# KiCad board hvd-68-vhdci-panel.kicad_pcb (continued)
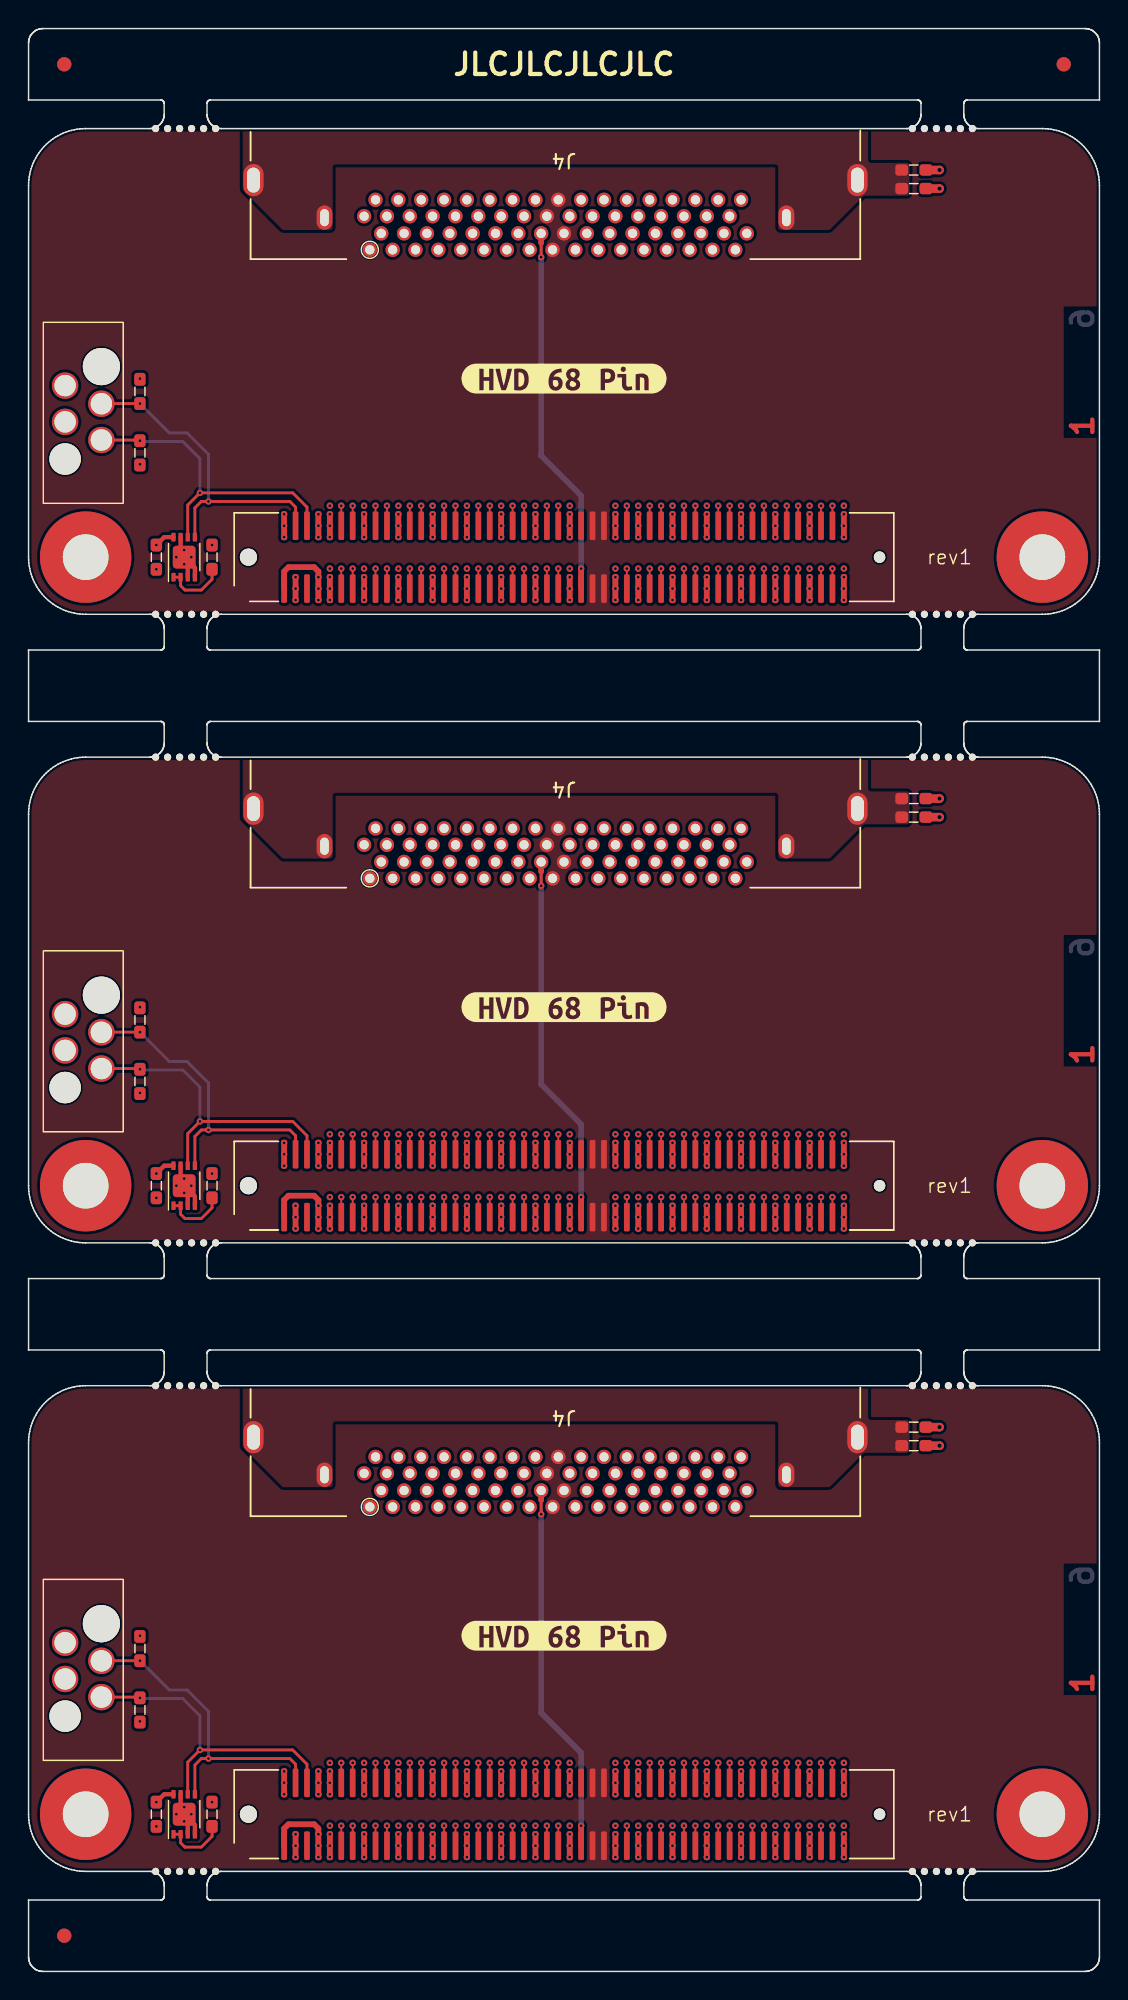
[diagram p0: board, top side]
## Routing (per net, layer and track width the routed paths; a pad name or vN(x,y) marks a point on that pad's centre or on a via; arc(x,y) is an arc through that point) (continued)
Board_2-/CON.DB6+: length 29.6
  Top w0.128: J1#3.43 v1(34.7,10.2)
  In3.Cu w0.128: v1(34.7,10.2) 34.3,10.6 34.3,15 32.9,16.4 32.9,18 arc(32.97,18.17) 33.14,18.24 arc(33.31,18.31) 33.38,18.48 33.38,18.6 arc(33.31,18.77) 33.14,18.84 arc(32.97,18.91) 32.9,19.08 32.9,19.2 arc(32.97,19.37) 33.14,19.44 arc(33.31,19.51) 33.38,19.68 33.38,19.8 arc(33.31,19.97) 33.14,20.04 arc(32.97,20.11) 32.9,20.28 32.9,20.4 arc(32.97,20.57) 33.14,20.64 arc(33.31,20.71) 33.38,20.88 33.38,21 arc(33.31,21.17) 33.14,21.24 arc(32.97,21.31) 32.9,21.48 32.9,21.6 arc(32.97,21.77) 33.14,21.84 arc(33.31,21.91) 33.38,22.08 33.38,22.2 arc(33.31,22.37) 33.14,22.44 arc(32.97,22.51) 32.9,22.68 32.9,22.8 arc(32.97,22.97) 33.14,23.04 arc(33.31,23.11) 33.38,23.28 33.38,23.4 arc(33.31,23.57) 33.14,23.64 arc(32.97,23.71) 32.9,23.88 32.9,24 arc(32.97,24.17) 33.14,24.24 arc(33.31,24.31) 33.38,24.48 33.38,24.6 arc(33.31,24.77) 33.14,24.84 arc(32.97,24.91) 32.9,25.08 32.9,25.2 arc(32.97,25.37) 33.14,25.44 arc(33.31,25.51) 33.38,25.68 33.38,25.8 arc(33.31,25.97) 33.14,26.04 arc(32.97,26.11) 32.9,26.28 32.9,26.4 arc(32.97,26.57) 33.14,26.64 arc(33.31,26.71) 33.38,26.88 33.38,27 arc(33.31,27.17) 33.14,27.24 arc(32.97,27.31) 32.9,27.48 32.9,27.6 arc(32.97,27.77) 33.14,27.84 arc(33.31,27.91) 33.38,28.08 33.38,28.2 arc(33.31,28.37) 33.14,28.44 arc(32.97,28.51) 32.9,28.68 32.9,31.92 J4.13
Board_2-/CON.DB6-: length 27
  Top w0.128: J1#3.44 v1(34.7,14.6)
  In2.Cu w0.128: v1(34.7,14.6) 32.9,16.4 32.9,18 arc(32.96,18.15) 33.11,18.21 arc(33.26,18.28) 33.32,18.43 33.32,18.6 arc(33.26,18.75) 33.11,18.81 arc(32.96,18.88) 32.9,19.03 32.9,19.2 arc(32.96,19.35) 33.11,19.41 arc(33.26,19.48) 33.32,19.63 33.32,19.8 arc(33.26,19.95) 33.11,20.01 arc(32.96,20.08) 32.9,20.23 32.9,20.4 arc(32.96,20.55) 33.11,20.61 arc(33.26,20.68) 33.32,20.83 33.32,21 arc(33.26,21.15) 33.11,21.21 arc(32.96,21.28) 32.9,21.43 32.9,21.6 arc(32.96,21.75) 33.11,21.81 arc(33.26,21.88) 33.32,22.03 33.32,22.2 arc(33.26,22.35) 33.11,22.41 arc(32.96,22.48) 32.9,22.63 32.9,22.8 arc(32.96,22.95) 33.11,23.01 arc(33.26,23.08) 33.32,23.23 33.32,23.4 arc(33.26,23.55) 33.11,23.61 arc(32.96,23.68) 32.9,23.83 32.9,24 arc(32.96,24.15) 33.11,24.21 arc(33.26,24.28) 33.32,24.43 33.32,24.6 arc(33.26,24.75) 33.11,24.81 arc(32.96,24.88) 32.9,25.03 32.9,25.2 arc(32.96,25.35) 33.11,25.41 arc(33.26,25.48) 33.32,25.63 33.32,25.8 arc(33.26,25.95) 33.11,26.01 arc(32.96,26.08) 32.9,26.23 32.9,26.4 arc(32.96,26.55) 33.11,26.61 arc(33.26,26.68) 33.32,26.83 33.32,27 arc(33.26,27.15) 33.11,27.21 arc(32.96,27.28) 32.9,27.43 32.9,27.6 arc(32.95,27.73) 33.09,27.79 arc(33.22,27.84) 33.27,27.98 33.27,28.2 arc(33.22,28.33) 33.09,28.39 arc(32.95,28.44) 32.9,28.58 32.9,32.9 33.3,33.3 33.3,34 33.1,34.2 J4.47
Board_2-/CON.DB7+: length 29.6
  Top w0.128: J1#3.47 v1(36.3,10.2)
  In3.Cu w0.128: J4.14 34.3,32.3 34.1,32.1 34.1,27.41 arc(34.04,27.27) 33.9,27.21 arc(33.75,27.15) 33.69,27 33.69,26.81 arc(33.75,26.67) 33.9,26.61 arc(34.04,26.55) 34.1,26.4 34.1,26.21 arc(34.04,26.07) 33.9,26.01 arc(33.75,25.95) 33.69,25.8 33.69,25.61 arc(33.75,25.47) 33.9,25.41 arc(34.04,25.35) 34.1,25.2 34.1,25.01 arc(34.04,24.87) 33.9,24.81 arc(33.75,24.75) 33.69,24.6 33.69,24.41 arc(33.75,24.27) 33.9,24.21 arc(34.04,24.15) 34.1,24 34.1,23.81 arc(34.04,23.67) 33.9,23.61 arc(33.75,23.55) 33.69,23.4 33.69,23.21 arc(33.75,23.07) 33.9,23.01 arc(34.04,22.95) 34.1,22.8 34.1,22.61 arc(34.04,22.47) 33.9,22.41 arc(33.75,22.35) 33.69,22.2 33.69,22.01 arc(33.75,21.87) 33.9,21.81 arc(34.04,21.75) 34.1,21.6 34.1,21.41 arc(34.04,21.27) 33.9,21.21 arc(33.75,21.15) 33.69,21 33.69,20.81 arc(33.75,20.67) 33.9,20.61 arc(34.04,20.55) 34.1,20.4 34.1,20.21 arc(34.04,20.07) 33.9,20.01 arc(33.75,19.95) 33.69,19.8 33.69,19.61 arc(33.75,19.47) 33.9,19.41 arc(34.04,19.35) 34.1,19.2 34.1,19.01 arc(34.04,18.87) 33.9,18.81 arc(33.75,18.75) 33.69,18.6 33.69,18.41 arc(33.75,18.27) 33.9,18.21 arc(34.04,18.15) 34.1,18 34.1,16.8 36,14.9 36,10.5 v1(36.3,10.2)
Board_2-/CON.DB7-: length 27
  Top w0.128: J1#3.48 v1(36.3,14.6)
  In2.Cu w0.128: v1(36.3,14.6) 34.1,16.8 34.1,18 arc(34.04,18.16) 33.88,18.22 arc(33.73,18.28) 33.66,18.44 33.66,18.6 arc(33.73,18.76) 33.88,18.82 arc(34.04,18.88) 34.1,19.04 34.1,19.2 arc(34.04,19.36) 33.88,19.42 arc(33.73,19.48) 33.66,19.64 33.66,19.8 arc(33.73,19.96) 33.88,20.02 arc(34.04,20.08) 34.1,20.24 34.1,20.4 arc(34.04,20.56) 33.88,20.62 arc(33.73,20.68) 33.66,20.84 33.66,21 arc(33.73,21.16) 33.88,21.22 arc(34.04,21.28) 34.1,21.44 34.1,21.6 arc(34.04,21.76) 33.88,21.82 arc(33.73,21.88) 33.66,22.04 33.66,22.2 arc(33.73,22.36) 33.88,22.42 arc(34.04,22.48) 34.1,22.64 34.1,22.8 arc(34.04,22.96) 33.88,23.02 arc(33.73,23.08) 33.66,23.24 33.66,23.4 arc(33.73,23.56) 33.88,23.62 arc(34.04,23.68) 34.1,23.84 34.1,24 arc(34.04,24.16) 33.88,24.22 arc(33.73,24.28) 33.66,24.44 33.66,24.6 arc(33.73,24.76) 33.88,24.82 arc(34.04,24.88) 34.1,25.04 34.1,32.9 33.7,33.3 33.7,34 33.9,34.2 J4.48
Board_2-/CON.DB8+: length 29.6
  Top w0.128: J1#3.89 v1(53.1,10.2)
  In3.Cu w0.128: v1(53.1,10.2) 52.8,10.5 52.8,14.9 47.3,20.4 47.3,22 arc(47.37,22.17) 47.54,22.24 arc(47.7,22.31) 47.77,22.47 47.77,22.6 arc(47.7,22.77) 47.54,22.84 arc(47.37,22.91) 47.3,23.07 47.3,23.2 arc(47.37,23.37) 47.54,23.44 arc(47.7,23.51) 47.77,23.67 47.77,23.8 arc(47.7,23.97) 47.54,24.04 arc(47.37,24.11) 47.3,24.27 47.3,24.4 arc(47.37,24.57) 47.54,24.64 arc(47.7,24.71) 47.77,24.87 47.77,25 arc(47.7,25.17) 47.54,25.24 arc(47.37,25.31) 47.3,25.47 47.3,25.6 arc(47.37,25.77) 47.54,25.84 arc(47.7,25.91) 47.77,26.07 47.77,26.2 arc(47.7,26.37) 47.54,26.44 arc(47.37,26.51) 47.3,26.67 47.3,26.8 arc(47.37,26.97) 47.54,27.04 arc(47.7,27.11) 47.77,27.27 47.77,27.4 arc(47.7,27.57) 47.54,27.64 arc(47.37,27.71) 47.3,27.87 47.3,28 arc(47.37,28.17) 47.54,28.24 arc(47.7,28.31) 47.77,28.47 47.77,28.6 arc(47.7,28.77) 47.54,28.84 arc(47.37,28.91) 47.3,29.07 47.3,31.92 J4.31
Board_2-/CON.DB8-: length 27
  Top w0.128: J1#3.90 v1(53.1,14.6)
  In2.Cu w0.128: v1(53.1,14.6) 47.3,20.4 47.3,22 arc(47.35,22.13) 47.49,22.19 arc(47.62,22.24) 47.67,22.37 47.67,22.6 arc(47.62,22.73) 47.49,22.79 arc(47.35,22.84) 47.3,22.97 47.3,23.2 arc(47.35,23.33) 47.49,23.39 arc(47.62,23.44) 47.67,23.57 47.67,23.8 arc(47.62,23.93) 47.49,23.99 arc(47.35,24.04) 47.3,24.17 47.3,24.4 arc(47.35,24.53) 47.49,24.59 arc(47.62,24.64) 47.67,24.77 47.67,25 arc(47.62,25.13) 47.49,25.19 arc(47.35,25.24) 47.3,25.37 47.3,25.6 arc(47.36,25.75) 47.51,25.81 arc(47.66,25.87) 47.72,26.02 47.72,26.2 arc(47.66,26.35) 47.51,26.41 arc(47.36,26.47) 47.3,26.62 47.3,26.8 arc(47.36,26.95) 47.51,27.01 arc(47.66,27.07) 47.72,27.22 47.72,27.4 arc(47.66,27.55) 47.51,27.61 arc(47.36,27.67) 47.3,27.82 47.3,28 arc(47.35,28.13) 47.49,28.19 arc(47.62,28.24) 47.67,28.37 47.67,28.6 arc(47.62,28.73) 47.49,28.79 arc(47.35,28.84) 47.3,28.97 47.3,32.9 47.7,33.3 47.7,34 47.5,34.2 J4.65
Board_2-/CON.DB9+: length 29.6
  Top w0.128: J1#3.91 v1(53.9,10.2)
  In3.Cu w0.128: v1(53.9,10.2) 53.5,10.6 53.5,15 48.5,20 48.5,22 arc(48.44,22.15) 48.29,22.21 arc(48.14,22.28) 48.08,22.42 48.08,22.6 arc(48.14,22.75) 48.29,22.81 arc(48.44,22.88) 48.5,23.02 48.5,23.2 arc(48.44,23.35) 48.29,23.41 arc(48.14,23.48) 48.08,23.62 48.08,23.8 arc(48.14,23.95) 48.29,24.01 arc(48.44,24.08) 48.5,24.22 48.5,24.4 arc(48.44,24.55) 48.29,24.61 arc(48.14,24.68) 48.08,24.82 48.08,25 arc(48.14,25.15) 48.29,25.21 arc(48.44,25.28) 48.5,25.42 48.5,25.6 arc(48.44,25.75) 48.29,25.81 arc(48.14,25.88) 48.08,26.02 48.08,26.2 arc(48.14,26.35) 48.29,26.41 arc(48.44,26.48) 48.5,26.62 48.5,26.8 arc(48.44,26.95) 48.29,27.01 arc(48.14,27.08) 48.08,27.22 48.08,27.4 arc(48.14,27.55) 48.29,27.61 arc(48.44,27.68) 48.5,27.82 48.5,32.1 48.7,32.3 J4.32
Board_2-/CON.DB9-: length 27
  Top w0.128: J1#3.92 v1(53.9,14.6)
  In2.Cu w0.128: J4.66 48.3,34.2 48.1,34 48.1,33.3 48.5,32.9 48.5,25.48 arc(48.43,25.31) 48.26,25.24 48.26,25.24 arc(48.09,25.17) 48.02,25 48.02,24.88 arc(48.09,24.71) 48.26,24.64 48.26,24.64 arc(48.43,24.57) 48.5,24.4 48.5,24.28 arc(48.43,24.11) 48.26,24.04 48.26,24.04 arc(48.09,23.97) 48.02,23.8 48.02,23.68 arc(48.09,23.51) 48.26,23.44 48.26,23.44 arc(48.43,23.37) 48.5,23.2 48.5,23.08 arc(48.43,22.91) 48.26,22.84 48.26,22.84 arc(48.09,22.77) 48.02,22.6 48.02,22.48 arc(48.09,22.31) 48.26,22.24 48.26,22.24 arc(48.43,22.17) 48.5,22 48.5,20 v1(53.9,14.6)
Board_2-/CON.DB10+: length 29.6
  Top w0.128: J1#3.95 v1(55.5,10.2)
  In3.Cu w0.128: v1(55.5,10.2) 55.2,10.5 55.2,14.9 48.9,21.2 48.9,22 arc(48.97,22.17) 49.14,22.24 49.16,22.24 arc(49.33,22.31) 49.4,22.48 49.4,22.6 arc(49.33,22.77) 49.16,22.84 49.14,22.84 arc(48.97,22.91) 48.9,23.08 48.9,23.2 arc(48.97,23.37) 49.14,23.44 49.16,23.44 arc(49.33,23.51) 49.4,23.68 49.4,23.8 arc(49.33,23.97) 49.16,24.04 49.14,24.04 arc(48.97,24.11) 48.9,24.28 48.9,24.4 arc(48.97,24.57) 49.14,24.64 49.16,24.64 arc(49.33,24.71) 49.4,24.88 49.4,25 arc(49.33,25.17) 49.16,25.24 49.14,25.24 arc(48.97,25.31) 48.9,25.48 48.9,25.6 arc(48.97,25.77) 49.14,25.84 49.16,25.84 arc(49.33,25.91) 49.4,26.08 49.4,26.2 arc(49.33,26.37) 49.16,26.44 49.14,26.44 arc(48.97,26.51) 48.9,26.68 48.9,26.8 arc(48.97,26.97) 49.14,27.04 49.16,27.04 arc(49.33,27.11) 49.4,27.28 49.4,27.4 arc(49.33,27.57) 49.16,27.64 49.14,27.64 arc(48.97,27.71) 48.9,27.88 48.9,31.92 J4.33
Board_2-/CON.DB10-: length 27
  Top w0.128: J1#3.96 v1(55.5,14.6)
  In2.Cu w0.128: v1(55.5,14.6) 48.9,21.2 48.9,22 arc(48.97,22.17) 49.14,22.24 49.16,22.24 arc(49.33,22.31) 49.4,22.48 49.4,22.6 arc(49.33,22.77) 49.16,22.84 49.14,22.84 arc(48.97,22.91) 48.9,23.08 48.9,23.2 arc(48.97,23.37) 49.14,23.44 49.16,23.44 arc(49.33,23.51) 49.4,23.68 49.4,23.8 arc(49.33,23.97) 49.16,24.04 49.14,24.04 arc(48.97,24.11) 48.9,24.28 48.9,24.4 arc(48.97,24.57) 49.14,24.64 49.16,24.64 arc(49.33,24.71) 49.4,24.88 49.4,25 arc(49.33,25.17) 49.16,25.24 49.14,25.24 arc(48.97,25.31) 48.9,25.48 48.9,25.6 arc(48.97,25.77) 49.14,25.84 49.16,25.84 arc(49.33,25.91) 49.4,26.08 49.4,26.2 arc(49.33,26.37) 49.16,26.44 49.14,26.44 arc(48.97,26.51) 48.9,26.68 48.9,32.9 49.3,33.3 49.3,34 49.1,34.2 J4.67
Board_2-/CON.DB11+: length 29.6
  Top w0.128: J1#3.97 v1(56.3,10.2)
  In3.Cu w0.128: v1(56.3,10.2) 55.9,10.6 55.9,15 50.1,20.8 50.1,22 arc(50.17,22.16) 50.33,22.23 arc(50.49,22.3) 50.56,22.46 50.56,22.6 arc(50.49,22.76) 50.33,22.83 arc(50.17,22.9) 50.1,23.06 50.1,23.2 arc(50.17,23.36) 50.33,23.43 arc(50.49,23.5) 50.56,23.66 50.56,23.8 arc(50.49,23.96) 50.33,24.03 arc(50.17,24.1) 50.1,24.26 50.1,24.4 arc(50.17,24.56) 50.33,24.63 arc(50.49,24.7) 50.56,24.86 50.56,25 arc(50.49,25.16) 50.33,25.23 arc(50.17,25.3) 50.1,25.46 50.1,25.6 arc(50.17,25.76) 50.33,25.83 arc(50.49,25.9) 50.56,26.06 50.56,26.2 arc(50.49,26.36) 50.33,26.43 arc(50.17,26.5) 50.1,26.66 50.1,32.1 50.3,32.3 J4.34
Board_2-/CON.DB11-: length 27
  Top w0.128: J1#3.98 v1(56.3,14.6)
  In2.Cu w0.128: J4.68 49.9,34.2 49.7,34 49.7,33.3 50.1,32.9 50.1,25.39 arc(50.16,25.25) 50.29,25.2 arc(50.43,25.14) 50.49,25 50.49,24.79 arc(50.43,24.65) 50.29,24.6 arc(50.16,24.54) 50.1,24.4 50.1,24.19 arc(50.16,24.05) 50.29,24 arc(50.43,23.94) 50.49,23.8 50.49,23.59 arc(50.43,23.45) 50.29,23.4 arc(50.16,23.34) 50.1,23.2 50.1,22.99 arc(50.16,22.85) 50.29,22.8 arc(50.43,22.74) 50.49,22.6 50.49,22.39 arc(50.43,22.25) 50.29,22.2 arc(50.16,22.14) 50.1,22 50.1,20.8 v1(56.3,14.6)
Board_2-/CON.DB12+: length 29.6
  Top w0.128: J1#3.11 v1(21.9,10.2)
  In3.Cu w0.128: v1(21.9,10.2) 22.3,10.6 22.3,15 24.5,17.2 24.5,18 arc(24.43,18.17) 24.26,18.24 24.25,18.24 arc(24.08,18.31) 24.01,18.48 24.01,18.6 arc(24.08,18.77) 24.25,18.84 24.26,18.84 arc(24.43,18.91) 24.5,19.08 24.5,19.2 arc(24.43,19.37) 24.26,19.44 24.25,19.44 arc(24.08,19.51) 24.01,19.68 24.01,19.8 arc(24.08,19.97) 24.25,20.04 24.26,20.04 arc(24.43,20.11) 24.5,20.28 24.5,20.4 arc(24.43,20.57) 24.26,20.64 24.25,20.64 arc(24.08,20.71) 24.01,20.88 24.01,21 arc(24.08,21.17) 24.25,21.24 24.26,21.24 arc(24.43,21.31) 24.5,21.48 24.5,21.6 arc(24.43,21.77) 24.26,21.84 24.25,21.84 arc(24.08,21.91) 24.01,22.08 24.01,22.2 arc(24.08,22.37) 24.25,22.44 24.26,22.44 arc(24.43,22.51) 24.5,22.68 24.5,22.8 arc(24.43,22.97) 24.26,23.04 24.25,23.04 arc(24.08,23.11) 24.01,23.28 24.01,23.4 arc(24.08,23.57) 24.25,23.64 24.26,23.64 arc(24.43,23.71) 24.5,23.88 24.5,24 arc(24.43,24.17) 24.26,24.24 24.25,24.24 arc(24.08,24.31) 24.01,24.48 24.01,24.6 arc(24.08,24.77) 24.25,24.84 24.26,24.84 arc(24.43,24.91) 24.5,25.08 24.5,25.2 arc(24.43,25.37) 24.26,25.44 24.25,25.44 arc(24.08,25.51) 24.01,25.68 24.01,25.8 arc(24.08,25.97) 24.25,26.04 24.26,26.04 arc(24.43,26.11) 24.5,26.28 24.5,26.4 arc(24.43,26.57) 24.26,26.64 24.25,26.64 arc(24.08,26.71) 24.01,26.88 24.01,27 arc(24.08,27.17) 24.25,27.24 24.26,27.24 arc(24.43,27.31) 24.5,27.48 24.5,31.92 J4.1
Board_2-/CON.DB12-: length 27
  Top w0.128: J1#3.12 v1(21.9,14.6)
  In2.Cu w0.128: J4.35 23.5,34.2 23.7,34 23.7,33.5 24.5,32.7 24.5,26.28 arc(24.43,26.11) 24.26,26.04 arc(24.09,25.97) 24.02,25.8 24.02,25.68 arc(24.09,25.51) 24.26,25.44 arc(24.43,25.37) 24.5,25.2 24.5,25.08 arc(24.43,24.91) 24.26,24.84 arc(24.09,24.77) 24.02,24.6 24.02,24.48 arc(24.09,24.31) 24.26,24.24 arc(24.43,24.17) 24.5,24 24.5,23.88 arc(24.43,23.71) 24.26,23.64 arc(24.09,23.57) 24.02,23.4 24.02,23.28 arc(24.09,23.11) 24.26,23.04 arc(24.43,22.97) 24.5,22.8 24.5,22.68 arc(24.43,22.51) 24.26,22.44 arc(24.09,22.37) 24.02,22.2 24.02,22.08 arc(24.09,21.91) 24.26,21.84 arc(24.43,21.77) 24.5,21.6 24.5,21.48 arc(24.43,21.31) 24.26,21.24 arc(24.09,21.17) 24.02,21 24.02,20.88 arc(24.09,20.71) 24.26,20.64 arc(24.43,20.57) 24.5,20.4 24.5,20.28 arc(24.43,20.11) 24.26,20.04 arc(24.09,19.97) 24.02,19.8 24.02,19.68 arc(24.09,19.51) 24.26,19.44 arc(24.43,19.37) 24.5,19.2 24.5,19.08 arc(24.43,18.91) 24.26,18.84 arc(24.09,18.77) 24.02,18.6 24.02,18.48 arc(24.09,18.31) 24.26,18.24 arc(24.43,18.17) 24.5,18 24.5,17.2 v1(21.9,14.6)
Board_2-/CON.DB13+: length 29.6
  Top w0.128: J1#3.13 v1(22.7,10.2)
  In3.Cu w0.128: J4.2 24.7,32.3 24.9,32.1 24.9,26.28 arc(24.97,26.11) 25.14,26.04 25.15,26.04 arc(25.32,25.97) 25.39,25.8 25.39,25.68 arc(25.32,25.51) 25.15,25.44 25.14,25.44 arc(24.97,25.37) 24.9,25.2 24.9,25.08 arc(24.97,24.91) 25.14,24.84 25.15,24.84 arc(25.32,24.77) 25.39,24.6 25.39,24.48 arc(25.32,24.31) 25.15,24.24 25.14,24.24 arc(24.97,24.17) 24.9,24 24.9,23.88 arc(24.97,23.71) 25.14,23.64 25.15,23.64 arc(25.32,23.57) 25.39,23.4 25.39,23.28 arc(25.32,23.11) 25.15,23.04 25.14,23.04 arc(24.97,22.97) 24.9,22.8 24.9,22.64 arc(24.96,22.49) 25.12,22.42 arc(25.28,22.36) 25.34,22.2 25.34,22.04 arc(25.28,21.89) 25.12,21.82 arc(24.96,21.76) 24.9,21.6 24.9,21.44 arc(24.96,21.29) 25.12,21.22 arc(25.28,21.16) 25.34,21 25.34,20.84 arc(25.28,20.69) 25.12,20.62 arc(24.96,20.56) 24.9,20.4 24.9,20.24 arc(24.96,20.09) 25.12,20.02 arc(25.28,19.96) 25.34,19.8 25.34,19.64 arc(25.28,19.49) 25.12,19.42 arc(24.96,19.36) 24.9,19.2 24.9,19.04 arc(24.96,18.89) 25.12,18.82 arc(25.28,18.76) 25.34,18.6 25.34,18.44 arc(25.28,18.29) 25.12,18.22 arc(24.96,18.16) 24.9,18 24.9,16.8 23,14.9 23,10.5 v1(22.7,10.2)
Board_2-/CON.DB13-: length 27
  Top w0.128: J1#3.14 v1(22.7,14.6)
  In2.Cu w0.128: v1(22.7,14.6) 24.9,16.8 24.9,18 arc(24.97,18.17) 25.14,18.24 25.15,18.24 arc(25.32,18.31) 25.39,18.48 25.39,18.6 arc(25.32,18.77) 25.15,18.84 25.14,18.84 arc(24.97,18.91) 24.9,19.08 24.9,19.2 arc(24.97,19.37) 25.14,19.44 25.15,19.44 arc(25.32,19.51) 25.39,19.68 25.39,19.8 arc(25.32,19.97) 25.15,20.04 25.14,20.04 arc(24.97,20.11) 24.9,20.28 24.9,20.4 arc(24.97,20.57) 25.14,20.64 25.15,20.64 arc(25.32,20.71) 25.39,20.88 25.39,21 arc(25.32,21.17) 25.15,21.24 25.14,21.24 arc(24.97,21.31) 24.9,21.48 24.9,21.6 arc(24.97,21.77) 25.14,21.84 25.15,21.84 arc(25.32,21.91) 25.39,22.08 25.39,22.2 arc(25.32,22.37) 25.15,22.44 25.14,22.44 arc(24.97,22.51) 24.9,22.68 24.9,22.8 arc(24.97,22.97) 25.14,23.04 25.15,23.04 arc(25.32,23.11) 25.39,23.28 25.39,23.4 arc(25.32,23.57) 25.15,23.64 25.14,23.64 arc(24.97,23.71) 24.9,23.88 24.9,32.66 24.1,33.46 24.1,34 24.3,34.2 J4.36
Board_2-/CON.DB14+: length 29.6
  Top w0.128: J1#3.17 v1(24.3,10.2)
  In3.Cu w0.128: J4.3 26.1,31.92 26.1,28.68 arc(26.03,28.51) 25.86,28.44 25.85,28.44 arc(25.68,28.37) 25.61,28.2 25.61,28.08 arc(25.68,27.91) 25.85,27.84 25.86,27.84 arc(26.03,27.77) 26.1,27.6 26.1,27.48 arc(26.03,27.31) 25.86,27.24 25.85,27.24 arc(25.68,27.17) 25.61,27 25.61,26.88 arc(25.68,26.71) 25.85,26.64 25.86,26.64 arc(26.03,26.57) 26.1,26.4 26.1,26.23 arc(26.04,26.08) 25.88,26.02 arc(25.73,25.95) 25.67,25.8 25.67,25.63 arc(25.73,25.48) 25.88,25.42 arc(26.04,25.35) 26.1,25.2 26.1,25.03 arc(26.04,24.88) 25.88,24.82 arc(25.73,24.75) 25.67,24.6 25.67,24.43 arc(25.73,24.28) 25.88,24.22 arc(26.04,24.15) 26.1,24 26.1,23.83 arc(26.04,23.68) 25.88,23.62 arc(25.73,23.55) 25.67,23.4 25.67,23.23 arc(25.73,23.08) 25.88,23.02 arc(26.04,22.95) 26.1,22.8 26.1,22.68 arc(26.03,22.51) 25.86,22.44 25.85,22.44 arc(25.68,22.37) 25.61,22.2 25.61,22.08 arc(25.68,21.91) 25.85,21.84 25.86,21.84 arc(26.03,21.77) 26.1,21.6 26.1,21.48 arc(26.03,21.31) 25.86,21.24 25.85,21.24 arc(25.68,21.17) 25.61,21 25.61,20.88 arc(25.68,20.71) 25.85,20.64 25.86,20.64 arc(26.03,20.57) 26.1,20.4 26.1,20.28 arc(26.03,20.11) 25.86,20.04 25.85,20.04 arc(25.68,19.97) 25.61,19.8 25.61,19.68 arc(25.68,19.51) 25.85,19.44 25.86,19.44 arc(26.03,19.37) 26.1,19.2 26.1,19.08 arc(26.03,18.91) 25.86,18.84 25.85,18.84 arc(25.68,18.77) 25.61,18.6 25.61,18.48 arc(25.68,18.31) 25.85,18.24 25.86,18.24 arc(26.03,18.17) 26.1,18 26.1,16.4 24.7,15 24.7,10.6 v1(24.3,10.2)
Board_2-/CON.DB14-: length 27
  Top w0.128: J1#3.18 v1(24.3,14.6)
  In2.Cu w0.128: J4.37 25.1,34.2 25.3,34 25.3,33.5 26.1,32.7 26.1,27.48 arc(26.03,27.31) 25.86,27.24 25.85,27.24 arc(25.68,27.17) 25.61,27 25.61,26.88 arc(25.68,26.71) 25.85,26.64 25.86,26.64 arc(26.03,26.57) 26.1,26.4 26.1,26.28 arc(26.03,26.11) 25.86,26.04 25.85,26.04 arc(25.68,25.97) 25.61,25.8 25.61,25.68 arc(25.68,25.51) 25.85,25.44 25.86,25.44 arc(26.03,25.37) 26.1,25.2 26.1,25.08 arc(26.03,24.91) 25.86,24.84 25.85,24.84 arc(25.68,24.77) 25.61,24.6 25.61,24.48 arc(25.68,24.31) 25.85,24.24 25.86,24.24 arc(26.03,24.17) 26.1,24 26.1,23.83 arc(26.04,23.68) 25.89,23.62 arc(25.73,23.55) 25.67,23.4 25.67,23.23 arc(25.73,23.08) 25.89,23.02 arc(26.04,22.95) 26.1,22.8 26.1,22.63 arc(26.04,22.48) 25.89,22.42 arc(25.73,22.35) 25.67,22.2 25.67,22.03 arc(25.73,21.88) 25.89,21.82 arc(26.04,21.75) 26.1,21.6 26.1,21.43 arc(26.04,21.28) 25.89,21.22 arc(25.73,21.15) 25.67,21 25.67,20.83 arc(25.73,20.68) 25.89,20.62 arc(26.04,20.55) 26.1,20.4 26.1,20.23 arc(26.04,20.08) 25.89,20.02 arc(25.73,19.95) 25.67,19.8 25.67,19.63 arc(25.73,19.48) 25.89,19.42 arc(26.04,19.35) 26.1,19.2 26.1,19.03 arc(26.04,18.88) 25.89,18.82 arc(25.73,18.75) 25.67,18.6 25.67,18.43 arc(25.73,18.28) 25.89,18.22 arc(26.04,18.15) 26.1,18 26.1,16.4 v1(24.3,14.6)
Board_2-/CON.DB15+: length 29.6
  Top w0.128: J1#3.19 v1(25.1,10.2)
  In3.Cu w0.128: J4.4 26.3,32.3 26.5,32.1 26.5,26.28 arc(26.57,26.11) 26.74,26.04 26.76,26.04 arc(26.93,25.97) 27,25.8 27,25.68 arc(26.93,25.51) 26.76,25.44 26.74,25.44 arc(26.57,25.37) 26.5,25.2 26.5,25.08 arc(26.57,24.91) 26.74,24.84 26.76,24.84 arc(26.93,24.77) 27,24.6 27,24.48 arc(26.93,24.31) 26.76,24.24 26.74,24.24 arc(26.57,24.17) 26.5,24 26.5,23.88 arc(26.57,23.71) 26.74,23.64 26.76,23.64 arc(26.93,23.57) 27,23.4 27,23.28 arc(26.93,23.11) 26.76,23.04 26.74,23.04 arc(26.57,22.97) 26.5,22.8 26.5,22.68 arc(26.57,22.51) 26.74,22.44 26.76,22.44 arc(26.93,22.37) 27,22.2 27,22.08 arc(26.93,21.91) 26.76,21.84 26.74,21.84 arc(26.57,21.77) 26.5,21.6 26.5,21.48 arc(26.57,21.31) 26.74,21.24 26.76,21.24 arc(26.93,21.17) 27,21 27,20.88 arc(26.93,20.71) 26.76,20.64 26.74,20.64 arc(26.57,20.57) 26.5,20.4 26.5,20.28 arc(26.57,20.11) 26.74,20.04 26.76,20.04 arc(26.93,19.97) 27,19.8 27,19.68 arc(26.93,19.51) 26.76,19.44 26.74,19.44 arc(26.57,19.37) 26.5,19.2 26.5,19.08 arc(26.57,18.91) 26.74,18.84 26.76,18.84 arc(26.93,18.77) 27,18.6 27,18.48 arc(26.93,18.31) 26.76,18.24 26.74,18.24 arc(26.57,18.17) 26.5,18 26.5,16 25.4,14.9 25.4,10.5 v1(25.1,10.2)
Board_2-/CON.DB15-: length 27
  Top w0.128: J1#3.20 v1(25.1,14.6)
  In2.Cu w0.128: v1(25.1,14.6) 26.5,16 26.5,18 arc(26.57,18.17) 26.74,18.24 arc(26.9,18.31) 26.97,18.47 26.97,18.6 arc(26.9,18.77) 26.74,18.84 arc(26.57,18.91) 26.5,19.07 26.5,19.2 arc(26.57,19.37) 26.74,19.44 arc(26.9,19.51) 26.97,19.67 26.97,19.8 arc(26.9,19.97) 26.74,20.04 arc(26.57,20.11) 26.5,20.27 26.5,20.4 arc(26.57,20.57) 26.74,20.64 arc(26.9,20.71) 26.97,20.87 26.97,21 arc(26.9,21.17) 26.74,21.24 arc(26.57,21.31) 26.5,21.47 26.5,21.6 arc(26.57,21.77) 26.74,21.84 arc(26.9,21.91) 26.97,22.07 26.97,22.2 arc(26.9,22.37) 26.74,22.44 arc(26.57,22.51) 26.5,22.67 26.5,22.8 arc(26.57,22.97) 26.74,23.04 arc(26.9,23.11) 26.97,23.27 26.97,23.4 arc(26.9,23.57) 26.74,23.64 arc(26.57,23.71) 26.5,23.87 26.5,24 arc(26.56,24.15) 26.7,24.21 arc(26.85,24.27) 26.91,24.41 26.91,24.6 arc(26.85,24.75) 26.7,24.81 arc(26.56,24.87) 26.5,25.01 26.5,32.66 25.7,33.46 25.7,34 25.9,34.2 J4.38
Board_2-/CON.DIFFSENSE: length 27.7
  Top w0.2: 35.9,33 v1(35.9,32)
  Top w0.4: J1#3.53 v1(38.7,10.2) ; J4.16 35.9,33
  Bottom w0.2: 35.9,33 v1(35.9,32)
  Bottom w0.4: J4.16 35.9,33 ; v1(38.7,10.2) 38.7,15.3 35.9,18.1 v1(35.9,32)
Board_2-/CON.DP0+: length 29.6
  Top w0.128: J1#3.49 v1(37.1,10.2)
  In3.Cu w0.128: J4.15 34.5,31.92 34.5,27.48 arc(34.57,27.31) 34.74,27.24 34.75,27.24 arc(34.92,27.17) 34.99,27 34.99,26.88 arc(34.92,26.71) 34.75,26.64 34.74,26.64 arc(34.57,26.57) 34.5,26.4 34.5,26.28 arc(34.57,26.11) 34.74,26.04 34.75,26.04 arc(34.92,25.97) 34.99,25.8 34.99,25.68 arc(34.92,25.51) 34.75,25.44 34.74,25.44 arc(34.57,25.37) 34.5,25.2 34.5,25.08 arc(34.57,24.91) 34.74,24.84 34.75,24.84 arc(34.92,24.77) 34.99,24.6 34.99,24.48 arc(34.92,24.31) 34.75,24.24 34.74,24.24 arc(34.57,24.17) 34.5,24 34.5,23.88 arc(34.57,23.71) 34.74,23.64 34.75,23.64 arc(34.92,23.57) 34.99,23.4 34.99,23.28 arc(34.92,23.11) 34.75,23.04 34.74,23.04 arc(34.57,22.97) 34.5,22.8 34.5,22.68 arc(34.57,22.51) 34.74,22.44 34.75,22.44 arc(34.92,22.37) 34.99,22.2 34.99,22.08 arc(34.92,21.91) 34.75,21.84 34.74,21.84 arc(34.57,21.77) 34.5,21.6 34.5,21.48 arc(34.57,21.31) 34.74,21.24 34.75,21.24 arc(34.92,21.17) 34.99,21 34.99,20.88 arc(34.92,20.71) 34.75,20.64 34.74,20.64 arc(34.57,20.57) 34.5,20.4 34.5,20.28 arc(34.57,20.11) 34.74,20.04 34.75,20.04 arc(34.92,19.97) 34.99,19.8 34.99,19.68 arc(34.92,19.51) 34.75,19.44 34.74,19.44 arc(34.57,19.37) 34.5,19.2 34.5,19.08 arc(34.57,18.91) 34.74,18.84 34.75,18.84 arc(34.92,18.77) 34.99,18.6 34.99,18.48 arc(34.92,18.31) 34.75,18.24 34.74,18.24 arc(34.57,18.17) 34.5,18 34.5,17.2 36.7,15 36.7,10.6 v1(37.1,10.2)
Board_2-/CON.DP0-: length 27
  Top w0.128: J1#3.50 v1(37.1,14.6)
  In2.Cu w0.128: J4.49 34.7,34.2 34.9,34 34.9,33.3 34.5,32.9 34.5,26.28 arc(34.57,26.11) 34.74,26.04 34.75,26.04 arc(34.92,25.97) 34.99,25.8 34.99,25.68 arc(34.92,25.51) 34.75,25.44 34.74,25.44 arc(34.57,25.37) 34.5,25.2 34.5,25.08 arc(34.57,24.91) 34.74,24.84 34.75,24.84 arc(34.92,24.77) 34.99,24.6 34.99,24.48 arc(34.92,24.31) 34.75,24.24 34.74,24.24 arc(34.57,24.17) 34.5,24 34.5,23.88 arc(34.57,23.71) 34.74,23.64 34.75,23.64 arc(34.92,23.57) 34.99,23.4 34.99,23.28 arc(34.92,23.11) 34.75,23.04 34.74,23.04 arc(34.57,22.97) 34.5,22.8 34.5,22.68 arc(34.57,22.51) 34.74,22.44 34.75,22.44 arc(34.92,22.37) 34.99,22.2 34.99,22.08 arc(34.92,21.91) 34.75,21.84 34.74,21.84 arc(34.57,21.77) 34.5,21.6 34.5,21.48 arc(34.57,21.31) 34.74,21.24 34.75,21.24 arc(34.92,21.17) 34.99,21 34.99,20.88 arc(34.92,20.71) 34.75,20.64 34.74,20.64 arc(34.57,20.57) 34.5,20.4 34.5,20.28 arc(34.57,20.11) 34.74,20.04 34.75,20.04 arc(34.92,19.97) 34.99,19.8 34.99,19.68 arc(34.92,19.51) 34.75,19.44 34.74,19.44 arc(34.57,19.37) 34.5,19.2 34.5,19.08 arc(34.57,18.91) 34.74,18.84 34.75,18.84 arc(34.92,18.77) 34.99,18.6 34.99,18.48 arc(34.92,18.31) 34.75,18.24 34.74,18.24 arc(34.57,18.17) 34.5,18 34.5,17.2 v1(37.1,14.6)
Board_2-/CON.DP1+: length 29.6
  Top w0.128: J1#3.23 v1(26.7,10.2)
  In3.Cu w0.128: v1(26.7,10.2) 27.1,10.6 27.1,15 27.7,15.6 27.7,18 arc(27.65,18.13) 27.51,18.19 arc(27.38,18.24) 27.33,18.38 27.33,18.6 arc(27.38,18.73) 27.51,18.79 arc(27.65,18.84) 27.7,18.98 27.7,19.2 arc(27.65,19.33) 27.51,19.39 arc(27.38,19.44) 27.33,19.58 27.33,19.8 arc(27.38,19.93) 27.51,19.99 arc(27.65,20.04) 27.7,20.18 27.7,20.4 arc(27.65,20.53) 27.51,20.59 arc(27.38,20.64) 27.33,20.78 27.33,21 arc(27.38,21.13) 27.51,21.19 arc(27.65,21.24) 27.7,21.38 27.7,21.6 arc(27.65,21.73) 27.51,21.79 arc(27.38,21.84) 27.33,21.98 27.33,22.2 arc(27.38,22.33) 27.51,22.39 arc(27.65,22.44) 27.7,22.58 27.7,22.8 arc(27.65,22.93) 27.51,22.99 arc(27.38,23.04) 27.33,23.18 27.33,23.4 arc(27.38,23.53) 27.51,23.59 arc(27.65,23.64) 27.7,23.78 27.7,24 arc(27.65,24.13) 27.51,24.19 arc(27.38,24.24) 27.33,24.38 27.33,24.6 arc(27.38,24.73) 27.51,24.79 arc(27.65,24.84) 27.7,24.98 27.7,25.2 arc(27.65,25.33) 27.51,25.39 arc(27.38,25.44) 27.33,25.58 27.33,25.8 arc(27.38,25.93) 27.51,25.99 arc(27.65,26.04) 27.7,26.18 27.7,26.4 arc(27.63,26.57) 27.46,26.64 27.45,26.64 arc(27.29,26.71) 27.21,26.88 27.21,27 arc(27.29,27.17) 27.45,27.24 27.46,27.24 arc(27.63,27.31) 27.7,27.48 27.7,27.6 arc(27.63,27.77) 27.46,27.84 27.45,27.84 arc(27.29,27.91) 27.21,28.08 27.21,28.2 arc(27.29,28.37) 27.45,28.44 27.46,28.44 arc(27.63,28.51) 27.7,28.68 27.7,28.8 arc(27.63,28.97) 27.46,29.04 27.45,29.04 arc(27.29,29.11) 27.21,29.28 27.21,29.4 arc(27.29,29.57) 27.45,29.64 27.46,29.64 arc(27.63,29.71) 27.7,29.88 27.7,30 arc(27.63,30.17) 27.46,30.24 27.45,30.24 arc(27.29,30.31) 27.21,30.48 27.21,30.6 arc(27.29,30.77) 27.45,30.84 27.46,30.84 arc(27.63,30.91) 27.7,31.08 27.7,31.92 J4.5
